# Altium PCB PCB1.PcbDoc (part 4 of 4)
Units mm, origin at the board's own origin, x right, y up, seen from the top; angles counter-clockwise.
Board outline 56.01 x 67.94 mm, 2 copper layers (Top Layer, Bottom Layer); 131 components, 109 nets, 548 pads, 93 vias.
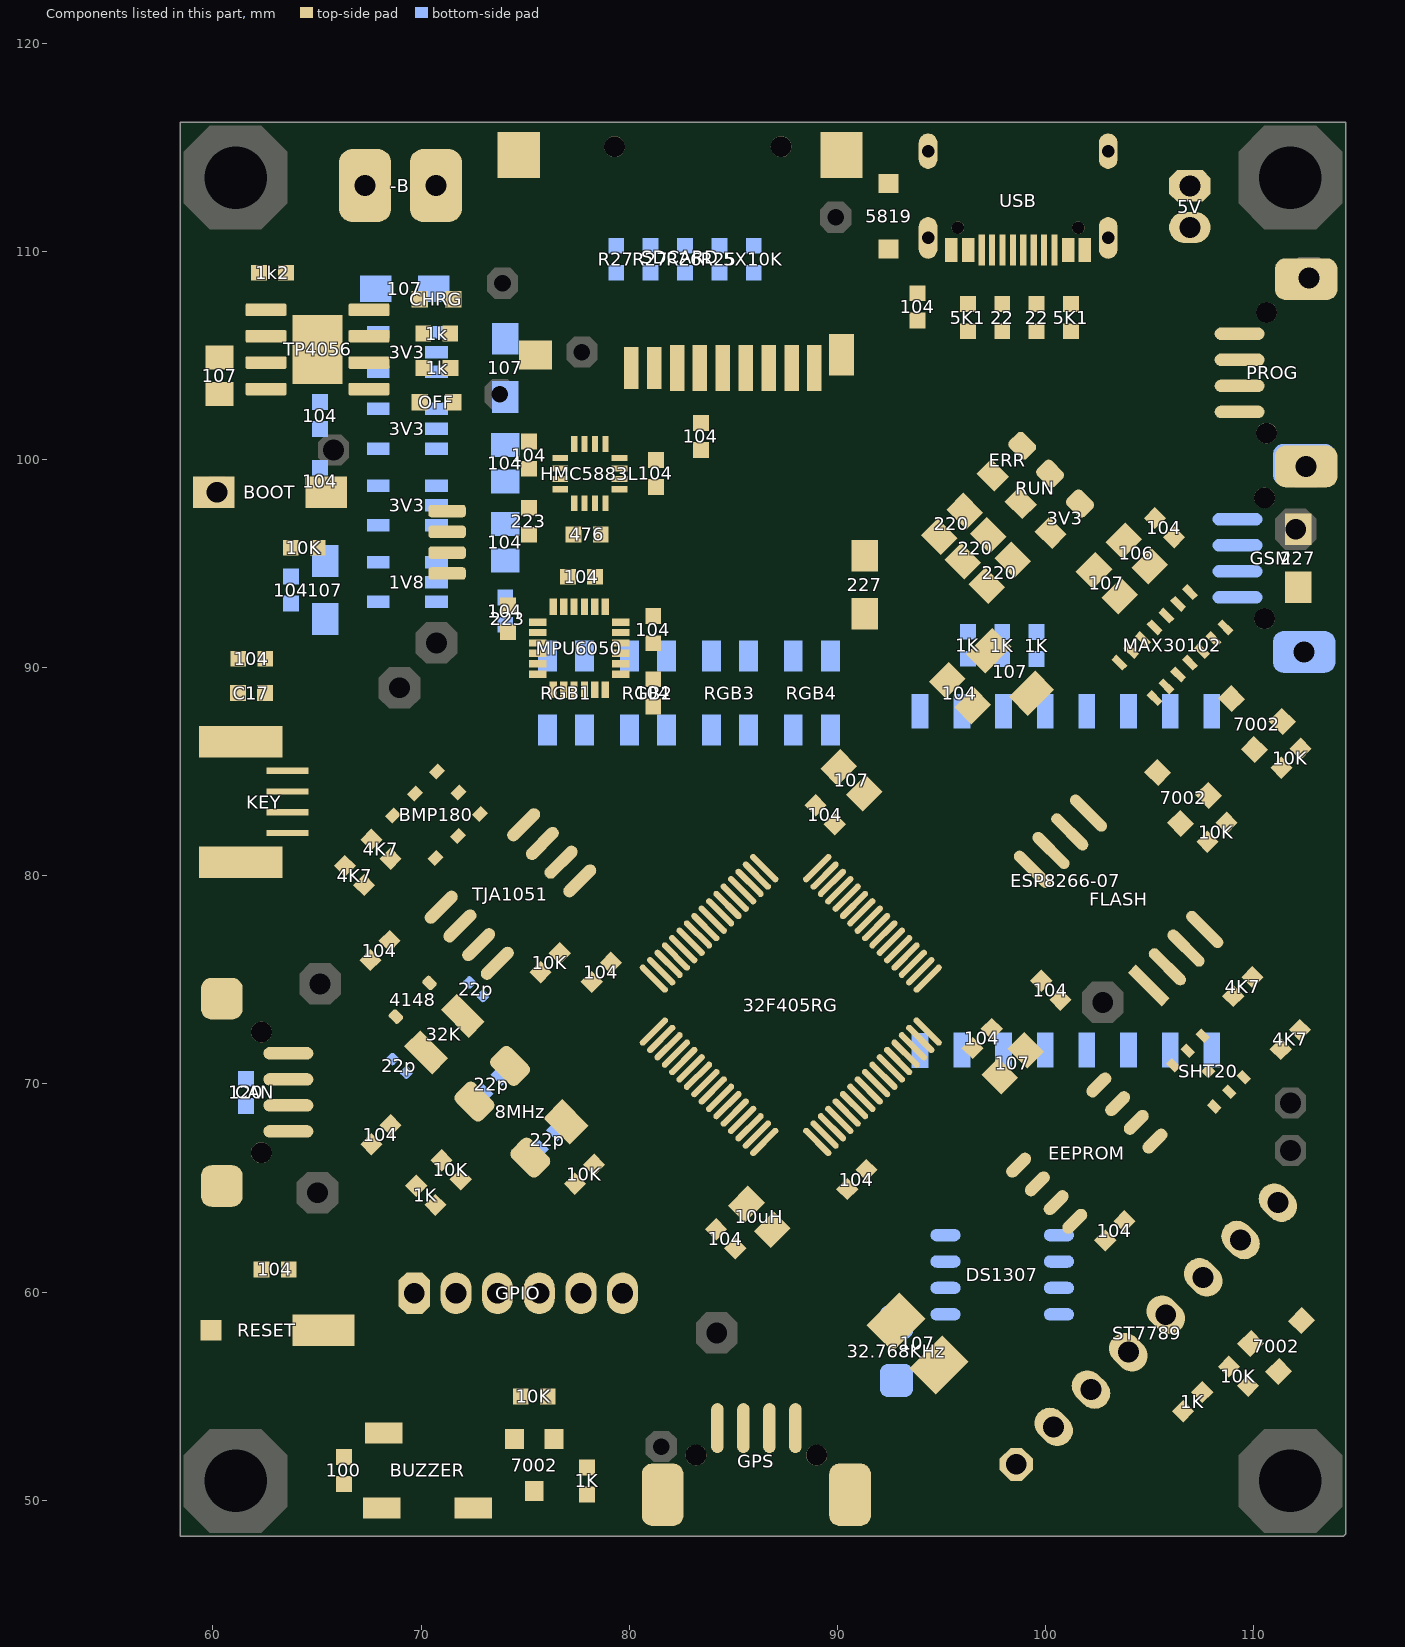
[diagram p4: the components of this part, seen from the top]

## Other copper (continued)
Bottom Layer:
  rectangle net 1V8: 67.062,93.98 68.453,95.884
  rectangle net 1V8: 62.611,93.98 63.754,94.488
  rectangle net VCC: 58.42,104.14 59.182,105.664
  rectangle net VCC: 58.801,92.329 59.69,92.837
  rectangle net 1V8: 58.547,90.424 58.928,90.678
  rectangle net VCC: 93.345,102.108 93.853,102.53
  rectangle net VCC: 74.507,113.284 75.184,113.693
  rectangle net 1V8: 108.331,53.665 108.86,53.848
  rectangle net 1V8: 108.712,53.848 109.474,54.102
  rectangle net 1V8: 108.331,48.387 108.839,53.721
  rectangle net VCC: 100.076,50.038 101.092,53.213
  rectangle net VCC: 100.52,50.038 101.092,53.213
  rectangle net VCC: 67.31,50.038 91.567,50.419
  rectangle net VCC: 91.313,50.038 100.52,50.482
  rectangle net VCC: 88.773,53.34 89.248,53.721
  rectangle net VCC: 87.757,53.34 88.9,54.229
  rectangle net VCC: 90.297,50.546 91.059,51.943
  rectangle net VCC: 89.789,52.324 90.17,52.832
  rectangle net VCC: 89.789,50.8 90.678,52.451
  rectangle net VCC: 90.678,50.8 91.44,51.816
  rectangle net VCC: 87.884,50.673 91.821,51.181
  rectangle net VCC: 83.82,52.705 84.074,53.594
  rectangle net VCC: 83.185,53.34 84.074,53.594
  rectangle net VCC: 73.914,65.151 75.565,65.405
  rectangle net VCC: 72.39,63.881 74.549,65.405
  rectangle net GND: 74.041,69.596 76.073,71.501
  rectangle net VCC: 59.436,91.44 62.23,94.361
  rectangle net VCC: 60.325,84.709 63.881,88.011
  rectangle net VCC: 60.325,78.994 61.849,82.296
  rectangle net CAN_H: 61.214,68.326 66.294,69.088
  rectangle net CAN_L: 61.214,70.246 65.263,70.881
  rectangle net GND: 74.167,66.04 74.676,67.332
  rectangle net GND: 74.273,66.981 75.165,69.85
  rectangle net GND: 74.09,69.596 78.232,70.008
  rectangle net GND: 73.66,70.358 74.273,73.279
  rectangle net GND: 74.041,69.723 76.073,72.898
  rectangle net 1V8: 111.379,53.975 114.427,56.261
  rectangle net 1V8: 108.839,53.975 114.427,54.483
  rectangle net 1V8: 108.331,50.419 108.585,53.721
  rectangle net 1V8: 108.204,49.276 108.585,49.403
  rectangle net 1V8: 107.95,48.895 108.585,49.276
  rectangle net 1V8: 107.95,48.641 108.585,49.022
  rectangle net 1V8: 107.569,48.387 108.585,49.022
  rectangle net LCD_BL: 105.156,52.832 106.299,54.102
  rectangle net 1V8: 108.204,48.26 108.585,50.419
  rectangle net 1V8: 66.802,48.26 108.585,48.641
  rectangle net RESET: 64.516,57.277 66.548,60.071
  rectangle net GND: 80.391,51.562 82.423,53.975
  rectangle net BUZZER: 77.343,52.451 78.613,53.975
  rectangle net BATT+: 60.452,54.864 63.5,62.611
  rectangle net 1V8: 58.801,54.356 59.182,54.737
  rectangle net 1V8: 58.801,53.848 59.436,54.483
  rectangle net 1V8: 58.801,53.975 59.69,54.229
  rectangle net 1V8: 58.42,53.721 62.738,54.102
  rectangle net 1V8: 58.42,53.721 58.928,88.138
  rectangle net GND: 79.121,75.692 80.137,76.962
  rectangle net VCC: 67.691,72.136 68.58,73.279
  rectangle net CAN_H: 66.04,68.326 67.056,69.596
  rectangle net CAN_L: 64.77,69.723 65.786,70.866
  rectangle net VCC: 68.707,77.089 69.85,78.359
  rectangle net SDA1: 65.278,80.772 67.437,82.55
  rectangle net SDA1: 73.787,88.138 74.93,88.9
  rectangle net SCL1: 73.787,89.281 74.93,90.17
  rectangle net SCL1: 68.58,84.836 69.596,85.979
  rectangle net GND: 70.358,82.677 71.374,83.693
  rectangle net GND: 75.565,84.074 76.835,85.09
  rectangle net BOOT: 78.486,81.28 79.502,82.423
  rectangle net RXD1: 94.996,84.709 96.266,86.487
  rectangle net TXD1: 96.52,85.344 97.79,86.487
  rectangle net VCC: 88.9,81.28 90.17,82.423
  rectangle net SDIO_D0: 83.439,83.947 85.344,85.09
  rectangle net BUZZER: 84.074,81.534 85.344,82.804
  rectangle net SDIO_D0: 86.741,77.47 88.011,78.74
  rectangle net RGB: 93.091,78.74 93.98,79.756
  rectangle net VCC: 96.52,92.71 99.06,93.218
  rectangle net TXD6_GSM: 102.489,85.09 103.505,86.233
  rectangle net SDIO_D0: 84.836,92.583 86.106,97.663
  rectangle net GND: 78.359,95.631 84.328,97.028
  rectangle net VCC: 77.597,93.726 82.169,95.25
  rectangle net VCC: 79.629,97.79 81.915,98.933
  rectangle net VCC: 77.597,97.79 80.137,101.981
  rectangle net VCC: 79.375,97.79 80.137,102.489
  rectangle net VCC: 79.375,102.235 84.074,103.886
  rectangle net GND: 84.963,101.219 86.36,102.743
  rectangle net GND: 82.677,99.187 84.328,100.711
  rectangle net VCC: 94.869,98.298 97.663,102.362
  rectangle net VCC: 90.805,92.075 91.948,97.409
  rectangle net VCC: 90.805,97.409 97.409,98.806
  rectangle net VCC: 97.282,92.71 99.06,100.076
  rectangle net VCC: 95.25,101.981 102.489,102.235
  rectangle net VCC: 96.012,101.092 96.774,101.854
  rectangle net VCC: 96.52,100.457 97.282,101.727
  rectangle net VCC: 97.155,100.076 97.663,101.727
  rectangle net VCC: 95.504,101.6 102.235,102.108
  rectangle net VCC: 97.409,99.822 104.14,102.235
  rectangle net VCC: 102.235,101.6 104.14,102.997
  rectangle net SWCLK: 90.805,99.314 94.488,100.711
  rectangle net FFFFFFFFFF: 94.615,93.853 95.504,94.869
  rectangle net AAAAAAAA: 94.234,95.504 96.012,96.901
  rectangle net GND: 105.029,97.155 106.68,98.806
  rectangle net SDA2: 109.093,87.376 110.617,89.027
  rectangle net RXD6_GSM: 100.457,85.09 101.473,86.36
  rectangle net BATT+: 111.125,80.391 112.268,83.312
  rectangle net BATT+: 111.125,82.55 114.427,89.154
  rectangle net 1V8: 113.95,55.372 114.427,80.772
  rectangle net 1V8: 112.649,80.264 114.427,82.042
  rectangle net VCC: 97.282,66.421 98.425,67.437
  rectangle net GND: 98.679,64.643 100.584,66.294
  rectangle net SDA2: 104.521,66.617 105.664,67.691
  rectangle net SCL2: 106.934,66.802 108.077,67.945
  rectangle net LCD_DC: 110.744,65.786 112.522,67.691
  rectangle net LCD_CSN: 110.617,68.072 112.522,69.85
  rectangle net VCC: 108.839,66.929 110.109,69.469
  rectangle net GND: 109.855,72.517 110.871,73.787
  rectangle net SDA2: 108.077,72.898 109.295,74.041
  rectangle net VCC: 103.632,73.025 106.045,75.311
  rectangle net VCC: 98.044,74.93 99.441,80.645
  rectangle net VCC: 99.06,78.613 104.775,80.645
  rectangle net VCC: 99.06,75.057 105.791,78.867
  rectangle net VCC: 104.521,78.613 105.791,79.756
  rectangle net GND: 98.806,72.898 100.965,74.168
  rectangle net VCC: 103.759,72.517 104.267,75.311
  rectangle net VCC: 101.6,73.057 103.981,75.311
  rectangle net GND: 111.379,98.171 114.427,110.236
  rectangle net GND: 113.538,89.789 114.427,98.552
  rectangle net GND: 111.379,89.662 114.427,91.821
  rectangle net BATT+: 59.563,64.643 60.706,75.565
  rectangle net BATT+: 59.69,75.565 60.706,78.613
  rectangle net BATT+: 59.563,55.372 61.214,64.897
  rectangle net BATT+: 59.944,55.118 60.96,55.88
  rectangle net BATT+: 60.198,54.864 60.579,55.118
  rectangle net BATT+: 60.198,63.5 66.04,65.786
  rectangle net BATT+: 59.436,73.406 66.294,78.613
  rectangle net VCC: 93.472,69.215 94.869,72.39
  rectangle net VCC: 86.106,62.357 87.884,63.754
  rectangle net GND: 84.963,60.325 87.122,61.976
  rectangle net VCC: 83.947,50.292 85.852,59.69
  rectangle net VCC: 85.598,50.292 88.138,54.737
  rectangle net VCC: 74.041,50.292 88.138,50.927
  rectangle net VCC: 87.884,50.292 92.329,50.927
  rectangle net VCC: 83.185,53.34 84.328,59.69
  rectangle net VCC: 85.471,54.483 88.138,59.69
  rectangle net VCC: 67.31,50.292 74.041,51.943
  rectangle net VCC: 67.31,51.054 67.818,60.833
  rectangle net VCC: 78.613,66.294 79.883,67.691
  rectangle net OSC_OUT: 76.327,67.564 77.597,68.834
  rectangle net GND: 74.676,65.913 75.819,67.183
  rectangle net VCC: 71.628,65.913 73.279,67.564
  rectangle net BATT+: 68.961,65.913 70.485,67.31
  rectangle net BATT+: 63.5,62.611 66.04,66.675
  rectangle net BATT+: 60.452,62.484 63.881,64.135
  rectangle net BATT+: 65.786,63.881 70.485,65.913
  rectangle net GND: 93.345,111.76 105.41,116.205
  rectangle net GND: 93.345,107.95 112.141,110.236
  rectangle net GND: 93.345,110.236 95.25,111.887
  rectangle net GND: 102.235,110.236 105.41,111.887
  rectangle net GND: 96.52,109.855 100.965,112.014
  rectangle net GND: 103.124,109.728 108.585,111.76
  rectangle net GND: 103.124,114.3 108.585,116.205
  rectangle net GND: 88.265,114.3 96.012,116.205
  rectangle net VCC: 91.186,103.886 92.71,113.665
  rectangle net VCC: 74.93,112.776 91.44,113.792
  rectangle net VCC: 77.343,109.982 86.233,113.284
  rectangle net VCC: 85.979,111.252 86.868,112.903
  rectangle net VCC: 86.614,111.76 87.503,113.03
  rectangle net VCC: 87.122,112.395 88.011,113.03
  rectangle net VCC: 86.233,110.998 86.487,111.379
  rectangle net VCC: 74.422,113.411 78.105,116.205
  rectangle net VCC: 80.137,113.538 86.487,116.205
  rectangle net VCC: 77.978,115.824 80.137,116.205
  rectangle net GND: 86.995,115.824 89.154,116.205
  rectangle net VCC: 86.36,113.538 92.71,113.792
  rectangle net GND: 105.029,97.155 106.934,108.204
  rectangle net GND: 106.68,102.235 111.506,106.045
  rectangle net GND: 106.68,105.41 109.728,108.204
  rectangle net GND: 106.68,99.441 109.728,102.743
  rectangle net GND: 109.474,99.695 111.252,100.203
  rectangle net VCC: 77.597,113.538 80.518,114.173
  rectangle net VCC: 77.978,114.046 78.359,115.824
  rectangle net VCC: 64.135,115.697 75.184,116.205
  rectangle net VCC: 64.135,104.775 64.77,115.951
  rectangle net VCC: 58.42,104.775 64.389,110.236
  rectangle net BATT+: 69.723,111.76 72.39,114.427
  rectangle net +5: 70.358,109.601 71.501,110.744
  rectangle net GND: 66.294,111.125 68.326,113.792
  rectangle net VCC: 76.835,109.982 77.978,112.903
  rectangle net GND: 76.962,104.648 78.359,106.045
  rectangle net SDIO_D2: 78.867,108.331 79.883,109.474
  rectangle net SDIO_D3: 80.645,105.283 81.661,108.585
  rectangle net SDIO_CLK: 82.423,105.41 84.963,106.426
  rectangle net SDIO_D0: 85.725,105.664 86.868,106.68
  rectangle net SDIO_D1: 87.249,105.791 88.392,109.22
  rectangle net GND: 89.027,104.521 90.805,112.395
  rectangle net SDIO_D1: 85.598,108.458 87.249,109.22
  rectangle net VCC: 58.42,92.202 59.182,104.775
  rectangle net VCC: 59.182,92.202 60.071,92.964
  rectangle net VCC: 58.801,94.869 62.23,101.6
  rectangle net VCC: 61.849,94.869 62.865,101.6
  rectangle net VCC: 59.182,94.107 61.595,95.25
  rectangle net VCC: 59.309,92.964 60.071,94.234
  rectangle net VCC: 61.341,91.44 62.23,94.996
  rectangle net VCC: 58.42,91.44 60.325,92.456
  rectangle net VCC: 64.77,99.441 66.548,101.6
  rectangle net +5: 59.69,102.108 62.865,104.14
  rectangle net +5: 59.817,103.505 65.786,104.013
  rectangle net GND: 64.77,90.678 71.755,92.202
  rectangle net GND: 71.755,91.44 74.422,92.202
  rectangle net BATT+: 67.31,88.011 70.739,89.789
  rectangle net VCC: 62.357,88.011 64.516,89.281
  rectangle net BOOT: 65.532,88.011 67.056,89.281
  rectangle net GND: 71.12,75.565 80.645,79.375
  rectangle net VCC: 66.929,72.136 68.707,78.994
  rectangle net VCC: 67.945,73.787 69.85,78.994
  rectangle net VCC: 67.564,78.105 69.85,79.502
  rectangle net VCC: 66.929,78.613 69.85,79.502
  rectangle net GND: 71.12,74.93 80.645,75.692
  rectangle net GND: 80.518,75.184 82.55,85.471
  rectangle net GND: 75.565,84.836 80.645,85.471
  rectangle net GND: 72.136,84.074 75.819,85.344
  rectangle net GND: 77.343,85.344 77.851,85.725
  rectangle net BUZZER: 83.439,74.295 85.598,83.185
  rectangle net SDIO_D0: 86.36,77.343 88.011,78.74
  rectangle net SDIO_D0: 86.233,77.47 87.503,83.439
  rectangle net FFFFFFFFFF: 83.566,72.136 89.535,73.533
  rectangle net AAAAAAAA: 90.297,71.501 91.694,72.898
  rectangle net GND: 93.218,65.646 96.647,67.818
  rectangle net GND: 92.71,62.484 96.393,65.646
  rectangle net GND: 89.535,61.087 92.71,62.992
  rectangle net GND: 86.487,60.325 91.948,61.976
  rectangle net GND: 88.9,55.245 90.17,60.833
  rectangle net GND: 91.948,60.833 92.71,61.087
  rectangle net GND: 93.689,51.726 98.425,52.578
  rectangle net VCC: 99.695,52.705 100.642,58.928
  rectangle net VCC: 96.52,53.975 99.822,58.674
  rectangle net VCC: 96.52,58.42 97.409,61.214
  rectangle net VCC: 96.52,53.34 99.822,54.356
  rectangle net BATT+: 101.6,49.53 107.061,52.07
  rectangle net VCC: 67.564,50.673 76.835,58.42
  rectangle net BUZZER: 77.343,53.467 78.994,58.42
  rectangle net BUZZER: 78.613,56.642 81.153,58.42
  rectangle net BUZZER: 77.978,52.451 80.01,56.769
  rectangle net 1V8: 63.881,48.26 66.929,48.768
  rectangle net 1V8: 64.135,48.641 64.643,52.451
  rectangle net BATT+: 63.373,65.532 68.961,67.31
  rectangle net BATT+: 63.5,71.501 66.294,73.66
  rectangle net 1V8: 58.42,87.884 58.801,90.932
  rectangle net 1V8: 58.801,90.424 59.182,90.932
  rectangle net 1V8: 59.182,90.678 59.436,90.932
  rectangle net 1V8: 58.801,90.17 58.928,90.424
  rectangle net 1V8: 58.42,90.551 63.119,91.059
  rectangle net 1V8: 62.611,90.678 63.119,94.488
  rectangle net GND: 63.373,90.678 65.278,93.091
  rectangle net 1V8: 63.373,94.361 64.77,95.885
  rectangle net 1V8: 63.373,93.98 67.437,95.885
  rectangle net 1V8: 66.04,93.98 67.31,95.885
  rectangle net GND: 63.5,96.393 66.675,97.917
  rectangle net GND: 63.5,97.79 64.262,102.997
  rectangle net GND: 64.008,97.79 65.405,98.171
  rectangle net VCC: 65.278,99.314 66.294,101.727
  rectangle net GND: 63.937,91.948 66.802,93.472
  rectangle net VCC: 62.484,79.375 63.881,88.328
  rectangle net OSC_IN: 71.882,68.453 73.152,69.723
  rectangle net GND: 73.66,70.231 74.93,71.501
  rectangle net BATT+: 63.373,54.737 66.675,56.515
  rectangle net BATT+: 65.405,49.53 66.675,56.515
  rectangle net GND: 82.423,60.325 83.185,63.246
  rectangle net SDIO_D0: 86.233,74.549 88.011,77.47
  rectangle net RGB: 88.9,78.613 93.98,79.756
  rectangle net GND: 76.581,84.328 80.264,84.963
  rectangle net GND: 80.645,78.867 80.899,84.836
  rectangle net GND: 73.66,73.66 75.565,75.565
  rectangle net GND: 72.317,74.876 73.66,75.565
  rectangle net GND: 71.12,74.876 72.317,75.184
  rectangle net GND: 71.12,74.549 72.39,75.311
  rectangle net GND: 104.521,89.408 109.474,93.726
  rectangle net GND: 104.775,89.408 113.11,91.44
  rectangle net GND: 111.379,91.36 113.03,93.599
  rectangle net GND: 104.521,93.599 113.03,93.853
  rectangle net GND: 109.22,91.313 109.728,93.375
  rectangle net GND: 109.728,91.186 111.506,91.567
  rectangle net GND: 111.125,93.472 113.665,95.25
  rectangle net GND: 112.903,91.36 113.85,94.234
  rectangle net GND: 93.345,106.045 105.156,108.204
  rectangle net SWDIO: 96.393,104.267 101.346,105.283
  rectangle net SWCLK: 95.25,103.124 101.473,103.886
  rectangle net SWCLK: 95.123,103.124 96.012,105.283
  rectangle net VCC: 86.995,101.473 92.583,103.632
  rectangle net VCC: 92.456,101.473 95.504,102.362
  rectangle net VCC: 86.995,93.345 90.17,101.981
  rectangle net VCC: 90.805,89.535 91.694,92.075
  rectangle net GND: 82.677,96.647 84.328,99.949
  rectangle net VCC: 81.407,97.79 81.915,99.06
  rectangle net VCC: 80.01,98.679 81.915,99.06
  rectangle net GND: 80.772,99.822 84.201,100.965
  rectangle net GND: 84.836,102.616 86.36,102.997
  rectangle net GND: 84.707,101.346 85.09,102.997
  rectangle net GND: 84.709,98.425 86.36,101.473
  rectangle net GND: 84.201,98.425 84.836,101.092
  rectangle net GND: 76.581,104.521 80.01,107.95
  rectangle net GND: 76.581,104.965 77.597,109.474
  rectangle net GND: 76.581,107.823 78.486,109.474
  rectangle net GND: 74.549,98.298 75.565,99.568
  rectangle net GND: 73.406,96.393 75.565,99.568
  rectangle net GND: 72.517,101.981 75.057,104.14
  rectangle net GND: 72.517,103.759 75.057,104.394
  rectangle net GND: 72.39,107.061 74.93,109.474
  rectangle net GND: 69.215,107.061 72.771,109.093
  rectangle net GND: 96.139,62.484 98.679,65.532
  rectangle net SCL2: 105.029,82.296 105.918,83.058
  rectangle net VCC: 66.04,106.426 67.942,108.712
  rectangle net VCC: 66.04,99.06 66.675,107.696
  rectangle net VCC: 66.294,106.299 67.942,106.553
  rectangle net VCC: 99.695,68.453 109.093,69.469
  rectangle net VCC: 99.695,66.675 103.505,68.834
  rectangle net VCC: 99.695,69.294 108.839,69.977
  rectangle net VCC: 103.632,69.596 104.267,70.993
  rectangle net VCC: 71.12,63.881 73.279,67.564
  rectangle net VCC: 73.279,63.881 74.549,65.405
  rectangle net VCC: 72.898,65.278 73.66,65.913
  rectangle net BATT+: 67.691,64.008 70.485,68.961
  rectangle net BATT+: 69.469,98.552 71.755,100.584
  rectangle net BATT+: 69.657,95.123 71.247,96.84
  rectangle net VCC: 76.835,61.658 78.676,62.865
  rectangle net RESET: 65.532,59.055 66.548,60.706
  rectangle net GND: 91.948,63.754 92.964,65.913
  rectangle net GND: 92.456,64.77 93.472,66.04
  rectangle net GND: 91.44,64.77 92.202,65.913
  rectangle net GND: 95.504,67.691 99.314,70.104
  rectangle net GND: 96.647,72.898 99.695,74.168
  rectangle net VCC: 92.964,68.326 94.869,69.342
  rectangle net VCC: 92.456,68.326 93.218,68.834
  rectangle net VCC: 92.71,68.58 93.218,68.834
  rectangle net GND: 89.662,54.483 91.059,59.69
  rectangle net GND: 91.44,52.959 93.726,53.975
  rectangle net VCC: 99.187,57.023 101.346,59.055
  rectangle net VCC: 60.325,81.915 61.722,85.471
  rectangle net GND: 71.12,82.677 76.835,84.328
  rectangle net VCC: 85.471,110.109 88.265,112.522
  rectangle net SWCLK: 94.234,103.124 95.504,105.283
  rectangle net VCC: 86.995,102.997 92.456,103.886
  region net GND: 80.137,81.407 80.137,80.645 78.613,79.121 80.645,79.121 80.645,81.407
  region net VCC: 94.234,97.409 93.98,97.409 93.313,96.742 93.345,96.71 93.345,96.52 92.837,96.52 92.837,97.663 94.234,97.663
  region net VCC: 97.282,96.52 96.139,97.663 97.282,97.663
  region net VCC: 97.282,96.266 97.282,96.52 96.393,97.409 97.409,97.409 97.409,96.266
  region net SWCLK: 93.345,105.283 94.488,105.283 94.488,103.124 94.234,103.124 93.345,104.013
  region net GND: 72.39,111.379 72.39,109.093 72.517,108.966 74.93,108.966 74.93,109.474 73.025,111.379
  region net 1V8: 112.649,80.772 112.649,80.264 113.919,78.994 113.95,79.025 113.95,80.391
  region net VCC: 63.373,89.281 61.595,89.281 60.325,88.011 60.325,86.995 63.373,86.995
  region net GND: 81.471,85.534 81.788,85.852 82.042,85.598 82.042,85.344 81.407,85.344
  region net VCC: 88.9,82.169 88.9,82.423 89.281,82.804 90.551,82.804 90.17,82.423 90.17,82.169
  region net SDIO_D0: 85.09,85.09 85.344,85.09 86.995,83.439 87.503,83.439 87.503,83.058 86.233,83.058 85.344,83.947 85.09,83.947
  region net SDIO_D0: 88.011,78.359 88.011,78.74 87.376,79.375 87.376,78.359
  region net VCC: 62.992,89.281 61.722,88.011 60.325,88.011 61.595,89.281
  region: 62.992,89.281 61.722,88.011
  region net 1V8: 108.712,52.959 108.585,52.832 108.585,49.276 108.712,49.149
  region net 1V8: 108.712,52.959 108.712,49.022 108.839,48.895 109.22,48.895 109.22,48.26 108.585,48.26 108.585,49.022
  region net 1V8: 109.855,53.975 108.585,52.705 108.585,53.975
  region net 1V8: 113.792,59.055 109.093,54.356 113.919,54.356 113.919,58.928
  region net VCC: 97.282,96.52 96.393,97.409 97.409,97.409
  region net VCC: 93.313,96.742 93.98,97.409 93.218,97.409
  region net VCC: 97.282,96.52 97.282,96.901 96.774,97.409 97.409,97.409
  region net VCC: 93.345,93.472 91.948,92.075 90.805,92.075 90.805,98.806 93.345,98.806
  region net VCC: 99.06,92.837 96.901,92.837 96.647,93.091
  region net VCC: 101.981,100.203 98.679,96.901 98.679,100.203
  region net VCC: 105.791,79.756 104.521,81.026 98.044,81.026 98.044,80.645 103.251,80.645 105.791,78.105
  region net 1V8: 62.738,53.721 64.135,52.324 64.135,52.197 64.643,52.197 62.865,53.975 62.611,53.975
  region net BUZZER: 81.153,56.261 81.153,56.769 80.772,57.15 80.518,56.896 79.756,56.896 79.756,55.372 79.883,55.245
  region net GND: 80.391,53.975 82.042,55.626 82.042,53.848
  region net BUZZER: 80.01,52.959 80.01,51.562 77.47,51.562 77.343,51.689 77.343,52.959
  region net 1V8: 65.532,48.514 64.516,49.53 64.516,48.387
  region net 1V8: 64.389,48.895 63.881,48.895 63.246,48.26 64.389,48.26
  region net GND: 88.9,55.245 92.71,51.435 93.726,51.435 93.726,51.689 90.043,55.372
  region net GND: 93.689,52.578 93.345,52.578 90.297,55.626 90.297,54.991 90.424,54.991 93.689,51.726
  region net VCC: 83.185,53.34 83.566,52.959 84.074,52.959 84.074,53.34
  region net BATT+: 101.6,50.038 101.092,49.53 101.6,49.53
  region net VCC: 97.282,60.706 97.282,58.42 99.441,58.42 99.568,58.547
  region net GND: 90.678,58.801 94.361,62.484 90.678,62.484
  region net GND: 92.075,60.96 90.043,58.928 90.043,60.96
  region net GND: 89.535,62.992 88.519,61.976 89.662,61.976
  region net GND: 91.44,65.913 88.519,62.992 88.519,61.976 93.027,61.976 93.535,62.484
  region net GND: 91.44,65.913 93.218,67.691 93.459,67.691 93.459,65.646
  region net VCC: 68.58,72.136 69.85,73.406 69.85,74.295 68.58,74.295
  region net GND: 80.137,80.645 78.867,79.375 80.264,79.375
  region net SDA1: 76.2,80.772 77.724,82.296 77.724,82.931 76.962,82.169 66.04,82.169 65.659,81.788 65.659,80.772
  region net GND: 72.136,85.217 71.882,85.217 70.358,83.693 70.485,83.566 71.374,83.566 72.517,84.709
  region net SCL1: 73.724,90.233 69.532,86.042 69.532,85.534 73.596,89.599 73.85,89.599
  region net SDA1: 73.787,88.9 70.104,85.217 70.104,84.709 69.596,84.201 65.405,84.201 65.278,84.074 65.278,82.296 69.596,82.296 69.723,82.423 69.723,84.056 74.241,88.573 74.241,88.846 74.295,88.9
  region net GND: 71.882,85.217 74.295,87.63 75.184,87.63 75.184,85.217
  region net GND: 76.581,85.471 74.803,85.471 74.549,85.217 74.676,85.09 74.676,84.709
  region net SDA1: 65.278,83.185 65.278,86.233 66.548,87.503 67.945,87.503 67.945,83.185
  region net VCC: 62.992,89.281 61.595,87.884 61.595,79.248 61.849,78.994 62.992,78.994
  region net VCC: 62.992,78.994 65.024,78.994 64.897,79.121 64.897,79.248 63.754,79.248 62.865,80.137 62.865,80.518
  region net GND: 82.55,75.184 82.55,75.057 80.01,72.517 80.01,68.58 79.883,68.453 78.105,68.453 78.105,69.85 77.978,69.723 75.565,69.723 75.565,72.39 73.66,72.39 73.66,73.66 75.311,75.311 75.438,75.311
  region net FFFFFFFFFF: 83.566,73.533 83.566,72.644 81.915,70.993 81.915,67.945 82.296,67.945 86.487,72.136
  region net FFFFFFFFFF: 83.566,73.533 81.915,71.882 81.915,70.866 83.439,72.39 83.82,72.39
  region net VCC: 78.613,67.691 80.137,67.691 80.137,61.595 78.74,61.595 78.613,61.722
  region net BATT+: 66.061,62.505 67.945,64.389 65.684,64.389
  region net BATT+: 66.04,62.611 65.659,62.611 63.5,60.452 63.5,62.611 63.627,62.738 65.659,62.738
  region net BATT+: 66.04,62.611 66.04,62.484 63.246,59.69 63.246,62.738 65.913,62.738
  region net BATT+: 65.405,49.53 65.786,49.149 67.056,49.149 66.439,49.766
  region net GND: 92.71,71.12 92.075,70.485 92.075,69.469 86.868,64.262 85.725,64.262 85.725,63.754 84.455,63.754 83.566,62.865 83.185,62.865 83.185,63.627 82.423,62.865 82.423,66.04 87.122,70.739 91.948,70.739 92.456,71.247
  region net GND: 92.71,71.12 92.71,70.104 92.075,69.469 92.075,70.485
  region net GND: 83.185,62.865 82.423,62.865 82.677,63.119 82.677,64.008 83.185,64.008 83.312,64.135
  region net RGB: 93.98,78.613 90.297,74.93 88.9,74.93 88.9,78.613 88.011,79.502 88.011,80.137 94.107,80.137
  region net RGB: 94.107,80.137 92.456,81.788 92.456,82.169 90.805,82.169 90.678,82.042 90.678,80.645 88.265,80.645 88.265,80.137
  region net RGB: 88.011,80.137 88.011,82.931 90.551,85.471 90.551,86.868 90.805,86.868 90.805,85.344 88.265,82.804 88.265,80.137
  region net VCC: 88.9,82.423 90.551,84.074 91.313,84.074 91.313,83.82 89.916,82.423
  region net VCC: 90.551,84.074 91.186,84.709 91.186,84.074 91.313,83.947
  region net SDIO_D0: 85.344,85.09 86.995,83.439 86.741,83.439 85.598,84.582 85.344,84.582
  region net SDIO_D0: 85.344,83.947 86.36,82.931 86.36,83.693 86.233,83.693 85.344,84.582
  region net SDA1: 77.724,82.296 77.978,82.55 77.978,82.931 77.724,82.931
  region net GND: 104.775,93.853 103.505,92.583 103.505,89.408 104.775,89.408
  region net GND: 105.029,97.155 102.87,97.155 102.87,96.139 100.33,93.599 100.076,93.853 100.076,96.266 101.981,98.171 105.664,98.171
  region net GND: 102.87,96.139 103.886,97.155 103.124,97.155 102.87,97.409
  region net VCC: 76.835,103.251 78.613,103.251 79.502,104.14 79.502,101.854 79.121,101.473 76.835,101.473
  region net VCC: 79.502,104.14 77.724,104.14 76.835,103.251 78.994,103.251
  region net VCC: 77.724,104.14 76.835,104.14 76.835,103.251
  region net GND: 69.215,107.823 69.215,109.474 70.104,108.585 70.104,107.95 69.977,107.823
  region net GND: 68.326,111.125 68.199,110.998 68.199,110.617 67.691,111.125
  region net GND: 66.294,111.125 68.199,109.22 69.215,109.22 69.215,109.347 67.31,111.252
  region net GND: 68.961,109.22 68.961,107.188 68.707,106.934 68.707,106.553 69.215,107.061 69.215,109.347
  region net GND: 74.93,109.474 73.025,111.379 72.39,111.379 72.39,109.474
  region net BATT+: 72.39,111.76 72.453,111.823 74.358,111.823 73.025,113.157 72.263,113.157
  region net GND: 68.326,111.125 70.612,108.839 70.485,108.712 70.104,108.712 67.945,110.871
  region net VCC: 75.311,113.03 76.962,113.03 76.962,111.379 76.835,111.252 76.708,111.252 75.057,112.903
  region net VCC: 72.517,115.824 74.676,115.824 74.676,113.792 74.549,113.665 72.517,115.697 72.263,115.697
  region net VCC: 65.278,115.824 64.643,115.824 64.643,115.062
  region net VCC: 64.262,111.252 63.119,110.109 64.262,110.109
  region net GND: 100.33,64.897 100.33,64.135 98.679,62.484 98.679,64.897
  region net VCC: 104.521,81.026 109.601,75.946 109.601,74.549 107.442,74.549 107.442,73.025 104.521,73.025
  region net VCC: 93.472,72.39 93.472,72.517 96.52,75.565 98.298,75.565 98.171,75.438 98.171,74.93 98.044,74.803 96.774,74.803 94.869,72.898 94.869,72.39
  region net VCC: 96.52,75.565 98.171,77.216 98.171,75.438
  region net VCC: 82.169,92.964 76.835,92.964 76.835,94.996 82.169,94.996
  region net VCC: 80.01,92.964 78.867,91.821 75.184,91.821 75.184,93.98 76.835,95.631 76.835,92.964
  region net VCC: 82.042,92.964 84.455,92.964 84.455,95.25 82.042,95.25
  region net GND: 102.235,107.061 102.235,104.14 105.918,104.14 105.918,107.061
  region net GND: 104.775,104.14 105.41,104.14 105.41,98.425 104.775,98.425
  region net GND: 106.934,97.155 106.934,97.79 108.585,99.441 106.68,99.441
  region net GND: 66.294,113.792 66.675,114.173 67.945,114.173 68.326,113.792
  region net VCC: 66.04,109.093 66.04,110.363 67.31,109.093
  region net VCC: 67.31,109.093 68.326,108.077 66.04,108.077 66.04,109.093
  region net VCC: 92.583,103.632 92.583,103.505 93.599,102.489 93.599,102.108 92.71,102.108 92.329,102.489 92.329,103.632
  region net SDA2: 109.093,87.376 109.093,86.233 106.68,83.82 106.68,82.55 112.141,77.089 112.141,77.47 109.855,79.756 109.855,87.376
  region net SDA2: 110.617,87.376 110.617,79.375 112.522,77.47 112.522,70.485 112.268,70.231 109.728,70.231 108.966,70.993 108.966,73.025 109.168,73.025 109.474,72.719 109.474,70.866 109.982,70.358 112.014,70.358 112.268,70.612 112.268,77.343 109.855,79.756 109.855,87.376
  region net VCC: 108.077,70.739 109.522,69.294 108.077,69.294
  region net VCC: 108.839,69.977 109.347,69.469 108.839,69.469
  region net VCC: 74.549,63.881 75.819,65.151 74.549,65.151
  region net GND: 76.962,104.521 76.581,104.902 76.581,105.41 76.962,105.41
  region net VCC: 76.835,62.865 78.867,64.897 78.867,62.484
  region net VCC: 76.835,62.865 75.565,61.595 80.137,61.595 80.137,62.865
  region net VCC: 67.31,60.833 67.31,60.96 68.453,62.103 69.469,62.103 68.199,60.833
  region net RESET: 64.516,59.106 64.516,60.071 67.691,63.246 68.453,63.246 65.405,60.198 65.405,58.928
  region net VCC: 68.834,58.293 67.691,59.436 67.691,58.293
  region net BATT+: 64.516,56.388 63.373,57.531 63.373,56.388
  region net VCC: 108.839,66.929 103.505,61.595 103.505,59.563 110.109,66.167 110.109,66.929
  region net BATT+: 112.268,62.865 106.807,57.404 106.807,51.943 107.188,51.943 107.188,54.102 113.157,60.071 113.157,62.865
  region net BATT+: 112.268,62.865 113.157,63.754 113.157,62.865
  region net VCC: 99.695,52.705 100.584,51.816 100.699,51.931 100.699,52.808
  region net VCC: 99.949,52.451 98.806,53.594 99.949,53.594
  region net BATT+: 106.807,57.404 105.283,55.88 105.283,54.737 105.41,54.61 106.934,54.61
  region net BATT+: 101.6,52.07 103.632,54.102 104.394,54.102 104.775,53.721 104.775,51.943
  region net GND: 95.885,55.245 94.615,55.245 92.329,52.959 93.472,51.816 95.885,51.816
  region net GND: 94.615,55.245 95.885,56.515 95.885,55.245
  region net SDA1: 77.442,82.933 77.442,83.538 77.851,83.947 78.74,83.947 78.74,83.312 77.978,82.55 77.584,82.55 77.521,82.487
  region net BOOT: 78.486,81.28 78.232,81.534 78.232,82.169 78.867,82.804 79.502,82.804 79.502,81.28
  region net GND: 76.2,83.439 77.089,84.328 76.2,84.328
  region net GND: 76.2,82.677 76.2,83.185 77.343,84.328 77.343,84.709 75.565,84.709 75.438,84.582 75.438,82.677
  region net SWCLK: 94.234,104.394 93.345,105.283 94.234,105.283
  region net SWCLK: 93.345,105.283 93.345,104.013 94.234,103.124 94.234,105.283
  region net GND: 100.33,66.294 102.87,66.294 100.711,64.135 100.33,64.135
  region net VCC: 83.566,52.959 84.074,52.451 84.074,52.959
  region net VCC: 101.219,57.15 100.584,56.515 100.584,57.15
  region net VCC: 101.346,57.15 100.584,56.388 100.584,57.15
  region net RGB: 92.456,82.169 93.98,80.645 94.234,80.645 94.234,78.867 90.297,74.93 90.043,75.184 90.043,79.375 91.186,80.518 91.186,82.169
  region net SDIO_D0: 88.011,78.74 87.376,79.375 87.376,78.74
  region net 1V8: 112.649,80.391 113.792,79.248 113.95,79.406 113.95,80.391
  region net SCL2: 104.267,82.296 104.267,82.804 104.775,83.312 105.918,83.312 105.918,82.296

## Silkscreen, mask and mechanical layers (free items; w line width, h text height)
Top Overlay:
  text "+" at 103.759,115.951 h1 r180
  text "+B" at 73.66,112.649 h1 r90
  text "-" at 103.759,109.22 h1 r180
  text "GND" at 107.061,107.95 h0.8 r180
  text "+5V" at 106.934,101.473 h1 r180
  text "AYHAN" at 91.313,98.679 h1
  text "5V" at 69.85,97.028 h0.8
  text "-" at 68.961,96.901 h0.8 r180
  text "D" at 69.088,95.885 h0.8 r180
  text "C" at 69.088,94.742 h0.8 r180
  text "ARAZ ELECTRONIC" at 88.773,90.678 h1 r135
  text "5V" at 65.151,72.263 h1
  text "L" at 66.802,70.104 h1
  text "H" at 68.072,68.834 h1
  text "GND" at 66.294,66.04 h1
  text "Tx" at 85.598,56.769 h1 r90
  text "Rx" at 87.249,56.769 h1 r90
  text "GND" at 89.662,56.261 h1 r90
  text "3V3" at 83.693,55.88 h1 r90
  text "GND" at 97.282,48.895 h0.8 r315
Bottom Overlay:
  text "5V" at 107.696,98.679 h1 r180
  text "Rx" at 105.664,96.393 h1 r180
  text "Tx" at 105.664,94.996 h1 r180
  text "GND" at 106.426,92.456 h1 r180
  text "AYHAN" at 84.074,75.438 h1 r270
  text "ARAZ ELECTRONICS" at 81.534,68.453 h1 r270
  text "CSN" at 112.903,67.945 h1 r270
  text "BL-" at 108.585,67.31 h1 r135
  text "LCD_RST" at 102.616,66.167 h1 r135
  text "DC" at 112.903,65.786 h1 r270
  text "CS" at 107.696,64.897 h1 r135
  text "GPIO & ADC" at 79.248,61.722 h1
  text "SO" at 104.14,61.214 h1 r135
  text "SI" at 102.489,59.309 h1 r135
  text "LCD & TOUCH" at 109.474,58.801 h1 r45
  text "SCK" at 99.949,58.293 h1 r135
  text "3V3" at 98.044,56.515 h1 r135
  text "PC0" at 70.993,56.007 h1 r270
  text "PC1" at 73.025,56.007 h1 r270
  text "PA1" at 77.089,55.88 h1 r270
  text "GND" at 69.215,55.753 h1 r270
  text "PC2" at 75.057,55.753 h1 r270
  text "PA0" at 79.121,55.753 h1 r270
  text "GND" at 96.139,54.864 h1 r135

## Text inside footprints (layer, text, board x,y; h text height)
SDCARD: Top Overlay "k" at 89.138,106.639 h0.76 r180; Top Overlay "8" at 87.868,106.639 h0.76 r180; Top Overlay "7" at 86.751,106.639 h0.76 r180; Top Overlay "6" at 85.684,106.639 h0.76 r180; Top Overlay "5" at 84.617,106.639 h0.76 r180; Top Overlay "4" at 83.55,106.639 h0.76 r180; Top Overlay "3" at 82.357,106.639 h0.76 r180; Top Overlay "2" at 81.29,106.639 h0.76 r180; Top Overlay "1" at 80.198,106.639 h0.76 r180